# Altium PCB LimeSDR-X3_1v0.PcbDoc (part 8 of 25)
Units mm, origin at the board's own origin, x right, y up, seen from the top; angles counter-clockwise.
Board outline 232.5 x 111.15 mm, 12 copper layers (Top, L2, L3, L4, L5, L6, L7, L8, L9, L10, L11, Bottom), stack 1.596 mm thick; 2057 components, 1391 nets, 8880 pads, 3657 vias.
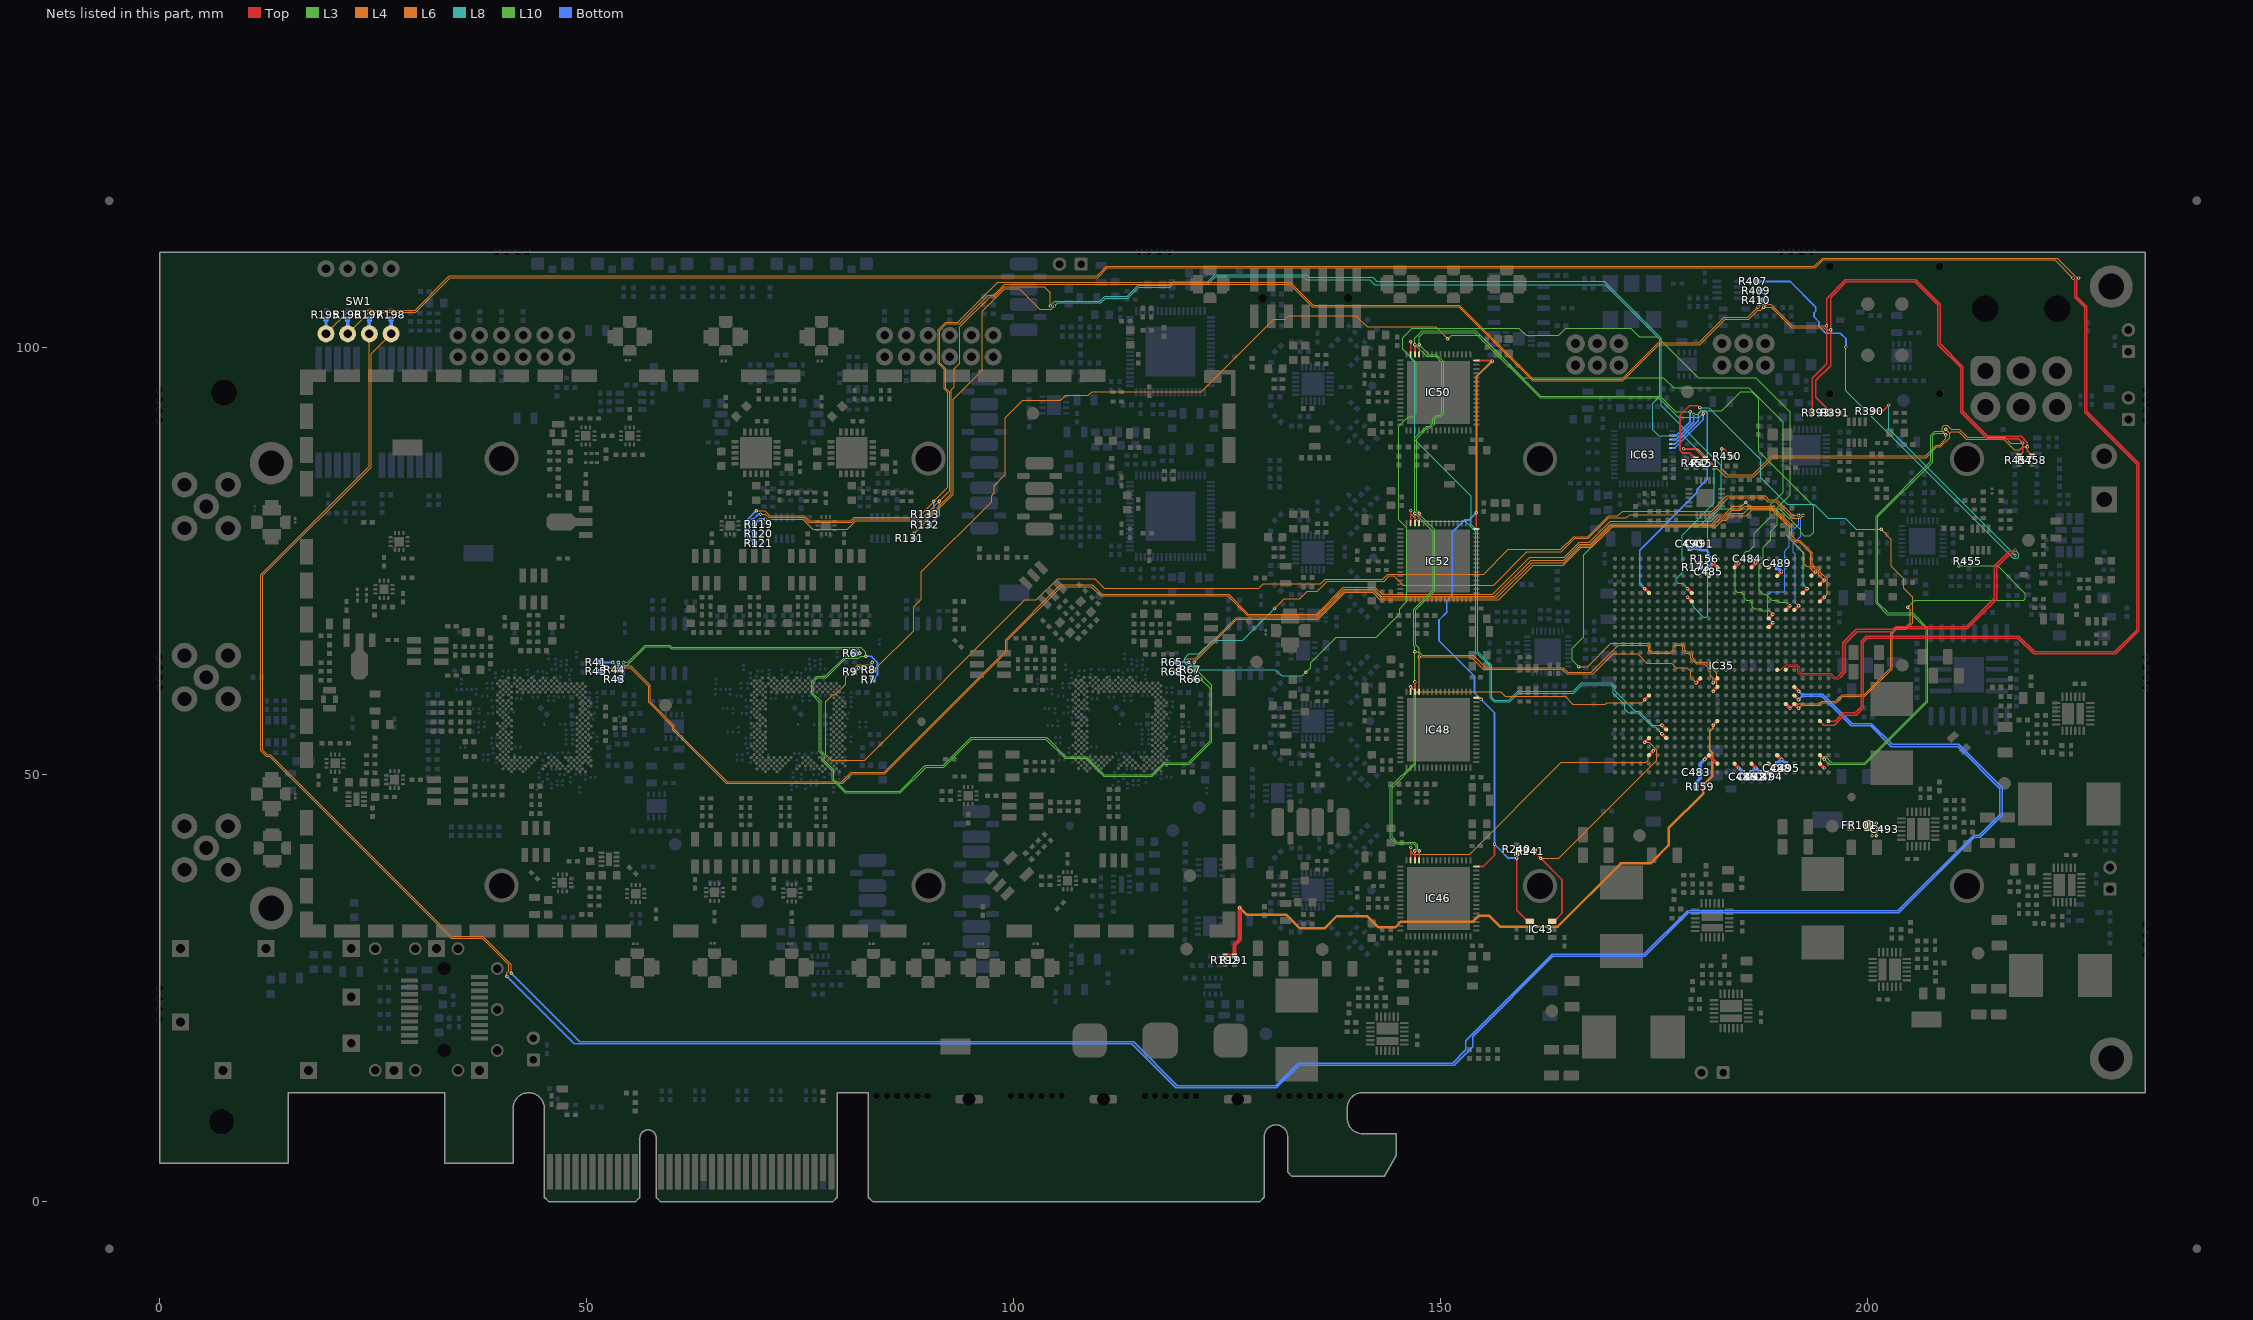
[diagram p18: the nets of this part, all layers, seen from the top]

## Via types
v1: diameter 0.4, hole 0.2, Top to Bottom, tented both sides, 3068 vias
v2: diameter 0.35, hole 0.2, Top to Bottom, tented both sides, 272 vias
v3: diameter 0.5, hole 0.2, Top to Bottom, tented bottom, 196 vias
v4: diameter 0.5, hole 0.2, Top to Bottom, tented both sides, 102 vias
v5: diameter 0.8, hole 0.4, Top to Bottom, tented both sides, 13 vias
v6: diameter 0.4, hole 0.2, Top to Bottom, tented top, 6 vias

## Nets (pads, with @x,y where several pads share a name; then routed paths per layer and width w, separated by ;. In a path a pad name is that pad's centre, name@x,y a point inside that pad or via, vN(x,y) a via of type N, cw(c..) or ccw(c..) an arc to the next point about the centre after c; other vN are vias at no path point) (continued)
FPGA_MGTAVTT: C483.2 C484.1 C485.1 C486.1 C487.1 C488.1 C489.1 C490.1 C491.1 C492.1 C493.1 C494.1 C495.1 FR101.1 IC35.AD7 IC35.AD15 IC35.AE8 IC35.AE10 IC35.AE12 IC35.AE14 IC35.B8 IC35.B10 IC35.B12 IC35.B14 IC35.C7 IC35.C15 R156.2 R159.2 | length 25.3
  Top w0.4: v1(180.875,51.775) IC35.C15@181.375,52.275 IC35.B14@182.375,51.275 ; v1(180.875,73.775) IC35.AD15@181.375,73.275 ; v1(181.875,74.775) IC35.AE14@182.375,74.275 ; IC35.B12@184.375,51.275 v1(184.875,50.775) ; IC35.AE12@184.375,74.275 v1(184.875,74.775) ; IC35.B10@186.375,51.275 v1(186.875,50.775) ; IC35.AE10@186.375,74.275 v1(186.875,74.775) ; IC35.B8@188.375,51.275 v1(188.875,50.775) ; IC35.AE8@188.375,74.275 v1(188.875,74.775) ; IC35.C7@189.375,52.275 v1(189.875,51.775) ; IC35.AD7@189.375,73.275 v1(189.875,73.775)
  Bottom w0.3: C491.1@180.225,76.525 180.225,76.475 180.325,76.375 180.375,76.375 180.5,76.25 181.1,76.25 181.325,76.025 181.325,75.325 R156.2@181.375,75.275
  Bottom w0.4: C490.1@179.127,76.508 179.145,76.525 C491.1@180.225,76.525 ; R159.2@179.875,48.55 179.875,49.05 180.375,49.55 C483.2@180.375,50.275 180.375,51.275 v1(180.875,51.775) ; v1(180.875,73.775) C485.1@181.375,74.275 v1(181.875,74.775) R156.2@181.375,75.275 ; v1(184.875,50.775) C486.1@185.375,50.275 ; C492.1@186.375,50.275 v1(186.875,50.775) 187.35,50.3 C487.1@187.35,50.25 ; C484.1@186.388,75.262 v1(186.875,74.775) ; C494.1@188.375,50.275 v1(188.875,50.775) v1(189.875,51.775) 189.875,51.725 190.275,51.325 190.325,51.325 C495.1@190.375,51.275 ; v1(188.875,74.775) v1(189.875,73.775)
  other v1: 200.475,42.825 200.975,42.825 200.475,43.325 200.975,43.325 200.475,43.825 200.975,43.825 200.475,44.325 200.975,44.325
FPGA_PROGRAM_B: IC35.AE16 R173.2 | length 1.4
  Top w0.4: v1(179.875,74.775) IC35.AE16@180.375,74.275
  Bottom w0.4: v1(179.875,74.775) 179.878,74.775 R173.2@180.375,74.278
FPGA_SPI0_LMS1_MISO: IC35.V8 R8.2 | length 159.7
  Top w0.4: IC35.V8@188.375,67.275 v1(188.875,67.775)
  L6 w0.1: v1(83.403,63.137) 83.136,62.871 81.685,62.871 80.3,61.486 80.3,60.601 79.027,59.328 78.773,59.328 77.95,58.504 77.95,52.346 78.619,51.677 82.506,51.677 82.736,51.907 101.279,70.45 102.608,70.45 105.108,72.95 109.458,72.95 110.558,71.85 128.675,71.85 129.175,72.35 135.9,72.35 136.425,72.875 143.175,72.875 143.775,73.475 155,73.475 157.9,76.375 164.05,76.375 165.525,77.85 167.183,77.85 169.633,80.3 170.725,80.3 171.275,80.85 181.7,80.85 183.475,82.625 187.975,82.625 188.4,82.2 189.35,82.2 191.2,80.35 v1(191.875,80.35)
  Bottom w0.13: v1(188.875,67.775) 188.25,68.4 188.25,71 188.65,71.4 190.125,71.4 190.25,71.525 190.25,76.175 190.8,76.725 190.8,78.265 191.875,79.34 v1(191.875,80.35)
  Bottom w0.2: v1(83.403,63.137) 83.403,62.401 R8.2@83.522,62.282
FPGA_SPI0_LMS1_SS: IC35.W8 R9.2 | length 169.5
  Top w0.4: IC35.W8@188.375,68.275 v1(188.875,68.775)
  L3 w0.1: v1(150.8,101.028) 151.247,101.475 154.592,101.475 159.592,96.475 176.05,96.475 177.25,95.275 186.042,95.275 190.075,91.242 190.075,83.083 188.575,81.583 188.575,80.133 186.7,78.258 186.7,76.775 186.05,76.125 185.73,76.125 185.525,75.92 185.525,75.647 185.003,75.125 184.73,75.125 184.475,74.87 184.475,71.575 184.675,71.375 185.158,71.375 185.525,71.008 185.525,70.63 185.73,70.425 186.154,70.425 186.475,70.104 186.475,69.68 186.73,69.425 187.447,69.425 187.672,69.2 188.45,69.2 v1(188.875,68.775)
  L6 w0.1: v1(81.803,62.494) 83.883,62.494 88.25,66.861 88.25,69.65 89.15,70.55 89.15,73.75 97.375,81.975 97.375,82.65 97.7,82.975 97.7,83.85 99,85.15 99,91.8 101.025,93.825 105.5,93.825 106.075,94.4 108.725,94.4 109.175,94.85 121.925,94.85 130.425,103.35 131.775,103.35 132.175,103.75 140.025,103.75 141.35,102.425 149.403,102.425 v1(150.8,101.028)
  Bottom w0.3: R9.2@81.321,62.088 R9.2@81.398,62.088 ; R9.2@81.398,62.088 v1(81.803,62.494) R9.2@81.398,62.088
FPGA_SPI0_LMS2_MISO: IC35.AB4 R44.2 | length 173.1
  Top w0.4: IC35.AB4@192.375,71.275 v1(192.875,71.775)
  L8 w0.1: v1(185.675,81.875) 186.175,81.375 188.6,81.375 190.425,79.55 190.425,78 192.425,76 192.425,72.225 v1(192.875,71.775)
  L6 w0.1: v1(53.653,63.137) 54.04,62.75 55.117,62.75 57.425,60.442 57.425,58.533 60.25,55.708 60.25,55.333 66.408,49.175 79.858,49.175 80.958,50.275 84.783,50.275 99.025,64.517 99.025,65.808 105.442,72.225 109.158,72.225 110.258,71.125 125.137,71.125 127.462,68.8 135.433,68.8 138.583,71.95 142.275,71.95 143.125,71.1 156.05,71.1 160.4,75.45 164.426,75.45 166.176,77.2 167.374,77.2 167.424,77.25 167.431,77.25 169.841,79.659 181.609,79.659 182.35,80.4 183.194,80.4 184.194,81.4 185.2,81.4 v1(185.675,81.875)
  Bottom w0.2: v1(53.653,63.137) 53.653,62.401 R44.2@53.772,62.282
FPGA_SPI0_LMS2_SS: IC35.AA2 R45.2 | length 177.3
  Top w0.4: IC35.AA2@194.375,70.275 v1(194.875,70.775)
  L6 w0.1: v1(52.053,62.494) 55.091,62.494 57.225,60.359 57.225,58.45 60.05,55.625 60.05,55.25 66.325,48.975 79.941,48.975 81.041,50.075 84.866,50.075 99.225,64.434 99.225,65.725 105.525,72.025 109.075,72.025 110.175,70.925 125.054,70.925 127.379,68.6 135.516,68.6 138.641,71.725 142.191,71.725 143.016,70.9 156.325,70.9 160.55,75.125 164.384,75.125 166.259,77 167.475,77 169.875,79.4 181.75,79.4 182.525,80.175 183.251,80.175 184.026,80.95 185.101,80.95 185.551,81.4 188.875,81.4 191.05,79.225 191.05,77.943 191.543,77.45 192.025,77.45 193.475,76 193.475,74.68 193.794,74.361 194.114,74.361 194.425,74.05 194.425,73.72 195.225,72.92 195.225,71.125 v1(194.875,70.775)
  Bottom w0.3: R45.2@51.571,62.088 R45.2@51.596,62.088 R45.2@51.648,62.088 ; R45.2@51.648,62.088 v1(52.053,62.494) R45.2@51.648,62.088
FPGA_SPI0_LMS3_MISO: IC35.AD3 R67.2 | length 87
  Top w0.4: IC35.AD3@193.375,73.275 v1(193.875,73.775)
  L6 w0.1: v1(121.093,63.154) 126.114,68.175 135.656,68.175 138.806,71.325 142.025,71.325 142.85,70.5 156.756,70.5 160.781,74.525 164.35,74.525 166.425,76.6 167.65,76.6 170.05,79 182.175,79 182.95,79.775 183.417,79.775 183.942,80.3 185.725,80.3 186.425,81 188.709,81 190.65,79.059 190.65,77.778 192.525,75.903 192.525,74.63 192.78,74.375 193.053,74.375 193.425,74.003 193.425,74 193.65,73.775 v1(193.875,73.775)
  Bottom w0.2: v1(121.093,63.154) 121.093,62.418 R67.2@121.212,62.299
FPGA_SPI0_LMS3_SS: IC35.AC2 R68.2 | length 90.7
  Top w0.4: IC35.AC2@194.375,72.275 v1(194.875,72.775)
  L6 w0.1: v1(119.493,62.51) 119.493,62.957 120.111,63.575 121.231,63.575 126.031,68.375 135.574,68.375 138.724,71.525 142.108,71.525 142.933,70.7 156.55,70.7 160.675,74.825 164.367,74.825 166.342,76.8 167.558,76.8 169.958,79.2 181.95,79.2 182.725,79.975 183.334,79.975 183.959,80.6 185.475,80.6 186.075,81.2 188.2,81.2 188.792,81.2 190.85,79.142 190.85,77.861 191.461,77.25 191.942,77.25 193.275,75.917 193.275,74.597 193.747,74.125 194.02,74.125 194.225,73.92 194.225,73.425 v1(194.875,72.775)
  Bottom w0.3: R68.2@119.088,62.105 v1(119.493,62.51)
FPGA_SPI0_MOSI: IC35.Y5 R7.2 R43.2 R66.2 | length 212.3
  Top w0.4: IC35.Y5@191.375,69.275 v1(191.875,69.775)
  L3 w0.1: v1(54.278,63.137) 54.789,63.137 56.827,65.175 59.7,65.175 59.95,64.925 82.075,64.925 82.65,64.35 v1(82.65,63.846) 82.074,63.846 81.849,63.621 80.3,63.621 78,61.321 77.05,61.321 76.5,60.771 76.5,59.496 77.425,58.571 77.425,52.746 77.775,52.396 77.775,51.696 78.925,50.546 78.925,49.461 80.315,48.071 86.621,48.071 89.625,51.075 91.725,51.075 95,54.35 103.825,54.35 106.075,52.1 108.483,52.1 110.583,50 116.117,50 117.517,51.4 120.425,51.4 122.975,53.95 122.975,60.085 v1(121.875,61.185)
  L8 w0.1: v1(121.875,61.185) 119.975,63.085 119.975,63.65 120.45,64.125 121.65,64.125 123.275,65.75 126.8,65.75 v1(130.55,69.5)
  L6 w0.1: v1(130.55,69.5) 131.625,70.575 133.45,70.575 134.35,71.475 135.5,71.475 136.675,72.65 143.35,72.65 143.975,73.275 144.467,73.275 145.567,72.175 156.175,72.175 160.075,76.075 164.075,76.075 165.65,77.65 167.266,77.65 169.675,80.059 171.723,80.059 172.114,80.45 181.675,80.45 183.65,82.425 187.8,82.425 188.275,81.95 189.2,81.95 191.15,80 192.05,80 v1(192.4,80.35)
  Bottom w0.13: v1(191.875,69.775) 191.51,70.14 191.51,75.79 191.275,76.025 191.275,77.07 192.113,77.907 192.113,80.062 v1(192.4,80.35)
  Bottom w0.2: R43.2@53.781,61.169 54.278,61.665 v1(54.278,63.137) ; v1(82.65,63.846) 83.3,63.846 84.028,63.118 84.028,61.665 R7.2@83.531,61.169 ; R66.2@121.221,61.185 v1(121.875,61.185)
FPGA_SPI0_SCLK: IC35.Y6 R6.2 R41.2 R65.2 | length 256.7
  Top w0.4: IC35.Y6@190.375,69.275 v1(190.875,69.775)
  L3 w0.1: v1(53.028,63.137) 53.384,62.782 54.716,62.782 56.909,64.975 59.617,64.975 59.867,64.725 81.75,64.725 81.947,64.528 v1(81.947,64.213) 81.554,63.821 80.217,63.821 77.917,61.521 76.967,61.521 76.3,60.853 76.3,59.413 77.225,58.488 77.225,52.663 77.575,52.313 77.575,51.613 78.725,50.463 78.725,49.378 80.232,47.871 86.703,47.871 89.708,50.875 91.808,50.875 95.083,54.15 103.742,54.15 105.992,51.9 108.4,51.9 110.5,49.8 116.2,49.8 117.6,51.2 120.508,51.2 123.175,53.867 123.175,60.447 v1(120.468,63.154) ; v1(134.175,61.975) 134.725,62.525 134.725,63.092 137.733,66.1 142.425,66.1 145.15,68.825 145.15,69.442 145.999,70.291 145.999,78.884 145.05,79.833 145.05,90.775 146.175,91.9 146.708,91.9 147.1,92.292 147.1,98.225 145.5,99.825 145.5,101.126 146.649,102.275 159.117,102.275 159.967,101.425 163.775,101.425 164.625,102.275 172.242,102.275 173.217,101.3 175.325,101.3 180.15,96.475 186.842,96.475 190.9,92.417 190.9,82.776 189.4,81.276 189.4,79.258 188.625,78.483 188.625,77.524 187.725,76.624 187.725,74.991 187.3,74.566 187.3,71.562 187.737,71.125 188.02,71.125 188.745,70.4 189.4,70.4 189.6,70.2 190.45,70.2 v1(190.875,69.775)
  L8 w0.1: v1(120.468,63.154) 120.468,63.107 121.275,62.3 130.625,62.3 131.375,61.55 133.75,61.55 v1(134.175,61.975)
  Bottom w0.2: R41.2@51.571,63.188 R41.2@51.596,63.163 51.622,63.137 v1(53.028,63.137) ; R65.2@119.062,63.154 v1(120.468,63.154)
  Bottom w0.4: R6.2@81.346,64.213 v1(81.947,64.213)
FPGA_SPI1_CDCM_SS: IC35.AB22 IC63.4 | length 31.1
  Top w0.4: v1(173.875,71.775) IC35.AB22@174.375,71.275
  Bottom w0.15: v1(173.875,71.775) 173.25,72.4 173.25,76.262 179.975,82.987 179.975,83.375 181.175,84.575 181.175,92.324 180.874,92.625 180.468,92.625 180.125,92.282 180.125,91.426 177.424,88.725 IC63.4@177.1,88.725
FPGA_SPI1_LMS2_BB_ADC1_SS: IC35.C22 IC46.15 | length 36.5
  Top w0.2: IC46.15@146.45,39.95 v1(146.45,41.46)
  Top w0.4: IC35.C22@174.375,52.275 v1(174.875,52.775)
  L4 w0.1: v1(146.45,41.46) 146.45,41.025 146.775,40.7 153.358,40.7 164.083,51.425 173.73,51.425 174.02,51.425 174.25,51.655 174.25,52.15 v1(174.875,52.775)
FPGA_SPI1_LMS2_BB_ADC2_SS: IC35.K22 IC48.15 | length 29.8
  Top w0.2: IC48.15@146.45,59.7 v1(146.45,60.266)
  Top w0.4: v1(173.875,58.775) IC35.K22@174.375,59.275
  L4 w0.1: v1(146.45,60.266) 147.03,59.685 157.008,59.685 157.544,59.15 164.55,59.15 165.45,58.25 169.246,58.25 169.421,58.425 173.525,58.425 v1(173.875,58.775)
FPGA_SPI1_LMS3_BB_ADC1_SS: IC35.F20 IC50.15 | length 71
  Top w0.2: IC50.15@146.45,99.2 v1(146.45,100.675)
  Top w0.4: v1(175.875,55.775) IC35.F20@176.375,55.275
  L8 w0.1: v1(146.45,100.675) 146.45,98.725 146.95,98.225 146.95,89.2 153.55,82.6 153.55,79.252 154.3,78.502 154.3,64.399 155.95,62.749 155.95,59.075 156.3,58.725 157.951,58.725 158.976,59.75 165.475,59.75 166.475,60.75 169.95,60.75 170.4,60.3 170.4,59.755 172.73,57.425 173.15,57.425 174.8,55.775 v1(175.875,55.775)
FPGA_SPI1_LMS3_BB_ADC2_SS: IC35.E20 IC52.15 | length 55.5
  Top w0.2: IC52.15@146.45,79.45 v1(146.45,80.925)
  Top w0.4: v1(175.875,54.775) IC35.E20@176.375,54.275
  L8 w0.1: v1(146.45,80.925) 146.45,80.559 147.334,79.675 152.844,79.675 154.093,78.425 154.093,76.735 154.1,76.728 154.1,64.316 155.75,62.666 155.75,58.992 156.217,58.525 158.034,58.525 159.059,59.55 165.558,59.55 166.558,60.55 169.867,60.55 170.2,60.217 170.2,59.525 171.525,58.2 171.525,57.92 171.525,57.63 171.93,57.225 173.067,57.225 174.717,55.575 175.075,55.575 v1(175.875,54.775)
FPGA_SPI1_MISO: IC35.L14 IC63.3 | length 99.7
  Top w0.4: v1(181.875,59.775) IC35.L14@182.375,60.275
  L4 w0.1: v1(166.125,62.65) 167.175,62.65 169.891,65.366 174.189,65.366 174.525,65.03 174.525,64.575 174.7,64.4 176.995,64.4 177.225,64.63 177.225,65 177.575,65.35 178.175,65.35 178.525,65 178.525,64.63 178.755,64.4 179.08,64.4 179.466,64.014 179.466,63.689 179.98,63.175 180.984,63.175 182.3,61.859 182.3,60.2 v1(181.875,59.775)
  L10 w0.1: v1(166.125,62.65) 165.4,63.375 165.4,64.775 166.75,66.125 166.75,75.75 170.15,79.15 180.325,79.15 182.328,81.153 189.642,81.153 192.11,78.685 192.11,78.365 192.5,77.975 193.225,77.975 193.625,78.375 193.625,81.45 187.225,87.85 187.225,94 186.375,94.85 185.125,94.85 182.875,92.6 180.55,92.6 180.125,92.175 v1(179.575,92.175)
  Bottom w0.2: IC63.3@177.1,89.225 177.501,89.225 179.6,91.324 v1@179.6,92.175
FPGA_SPI1_MISO_BB_ADC: IC35.E22 IC43.3 R241.2 | length 32.1
  Top w0.2: R241.2@160.912,40.963 v1(161.675,40.2) 164.175,37.7 164.175,33.75 163.247,32.822 IC43.3@163.022,32.822
  Top w0.4: v1(173.875,53.775) IC35.E22@174.375,54.275
  L4 w0.1: v1(161.675,40.2) 163.795,40.2 175.275,51.68 175.275,52.87 174.37,53.775 v1(173.875,53.775)
FPGA_SPI1_MISO_BB_ADC_LS: IC43.4 IC46.64 IC48.64 IC50.64 IC52.64 R240.2 R241.1 | length 83.7
  Top w0.2: IC46.64@154.15,39.25 154.975,39.25 156.275,40.55 v1(156.275,41.85) ; IC52.64@154.15,78.75 v1(154.15,80.65) ; IC50.64@154.15,98.5 155.925,98.5 v1(156,98.425) ; R241.1@159.975,41.025 159.175,41.025 158.875,40.725 v1(158.875,40.225) 158.875,34.125 160.178,32.822 IC43.4@160.422,32.822
  Top w0.25: IC48.64@154.15,59 154.5,59 v1(154.7,58.8)
  L6 w0.25: v1(154.15,80.65) 154.15,96.575 v1(156,98.425)
  Bottom w0.2: v1(154.15,80.65) 153.325,79.825 152.789,79.825 151.325,78.361 151.325,71.025 150.675,70.375 150.675,69.012 149.775,68.112 149.775,65.675 153.925,61.525 153.925,59.575 v1(154.7,58.8) 156.275,57.225 v1(156.275,41.85) 157.9,40.225 v1(158.875,40.225)
FPGA_SPI1_MOSI: IC35.M14 IC46.14 IC48.14 IC50.14 IC52.14 IC63.2 | length 156.3
  Top w0.2: IC46.14@146.95,39.95 v1(146.95,41.1) ; IC48.14@146.95,59.7 v1(146.95,60.85) ; IC52.14@146.95,79.45 v1(146.95,80.6) ; IC50.14@146.95,99.2 v1(146.95,100.35)
  Top w0.4: v1(181.875,60.775) IC35.M14@182.375,61.275
  L3 w0.1: v1(146.95,41.1) 146.95,41.129 147.1,41.279 147.1,41.625 146.825,41.9 144.792,41.9 144.075,42.617 144.075,48.558 146.85,51.333 146.85,59.575 146.95,59.675 v1(146.95,60.85) 146.95,65 146.838,65.112 146.838,69.371 149.1,71.633 149.1,78.45 v1(146.95,80.6) 146.95,89.425 148.325,90.8 148.667,90.8 149.05,91.183 149.05,91.683 149.442,92.075 149.85,92.075 150.1,92.325 150.1,98.242 149.367,98.975 148.325,98.975 v1(146.95,100.35)
  L4 w0.1: v1(146.95,64.4) 147.425,64.4 147.825,64 153.775,64 155.25,62.525 164.35,62.525 164.875,62 167.605,62 170.755,65.15 174.1,65.15 174.325,64.925 174.325,64.492 174.633,64.184 177.062,64.184 177.425,64.547 177.425,64.917 177.633,65.125 178.117,65.125 178.325,64.917 178.325,64.547 178.672,64.2 178.975,64.2 179.25,63.925 179.25,63.6 179.875,62.975 180.85,62.975 181.525,62.3 181.525,61.62 181.875,61.27 v1(181.875,60.775)
  L10 w0.1: v1(146.95,100.35) 146.95,101.075 147.825,101.95 154.05,101.95 161.7,94.3 175.675,94.3 177.5,92.475 v1(179.175,92.475)
  Bottom w0.2: IC63.2@177.1,89.725 177.577,89.725 179.175,91.323 v1(179.175,92.475)
FPGA_SPI1_SCLK: IC35.M16 IC46.13 IC48.13 IC50.13 IC52.13 IC63.5 | length 157
  Top w0.2: IC46.13@147.45,39.95 v1(147.45,41.1) ; IC48.13@147.45,59.7 147.45,60.85 v1(147.45,63.775) ; IC52.13@147.45,79.45 v1(147.45,80.6) ; IC50.13@147.45,99.2 v1(147.45,100.35)
  Top w0.4: v1(179.875,60.775) IC35.M16@180.375,61.275
  L3 w0.1: v1(147.45,41.1) 147.45,41.129 147.3,41.279 147.3,41.708 146.908,42.1 144.875,42.1 144.275,42.7 144.275,48.475 147.05,51.25 147.05,59.45 147.45,59.85 v1(147.45,63.775) 147.45,64.8 147.05,65.2 147.05,69.3 149.3,71.55 149.3,78.659 147.45,80.509 v1(147.45,80.6) 147.15,80.9 147.15,89.342 148.408,90.6 148.75,90.6 149.25,91.1 149.25,91.6 149.525,91.875 149.933,91.875 150.3,92.242 150.3,98.325 149.45,99.175 148.625,99.175 v1(147.45,100.35)
  L4 w0.1: v1(147.45,63.775) 153.5,63.775 154.95,62.325 164.203,62.325 164.728,61.8 167.825,61.8 170.15,64.125 173.02,64.125 174.12,63.025 176.575,63.025 177,63.025 177.5,62.525 178.781,62.525 179.225,62.082 179.225,61.425 v1(179.875,60.775)
  L10 w0.1: v1(147.45,100.35) 147.45,101.275 147.925,101.75 153.967,101.75 161.617,94.1 175.525,94.1 177.8,91.825 180.275,91.825 v1(180.7,92.25)
  Bottom w0.2: IC63.5@177.1,88.225 177.35,88.225 180.7,91.575 v1(180.7,92.25)
FPGA_SPI2_ADF_SS: IC35.J5 R452.1 | length 70.7
  Top w0.2: R452.1@179.85,86.95 179.15,87.65 178.317,87.65 178,87.967 178,92.075 179.1,93.175 180.1,93.175 v1(180.3,92.975)
  Top w0.4: IC35.J5@191.375,58.275 v1(191.875,57.775)
  L4 w0.1: v1(191.875,57.775) 192.225,58.125 194.425,58.125 194.7,58.4 196.275,58.4 197.05,59.175 199.625,59.175 202.85,62.4 202.85,66.475 203.425,67.05 204.508,67.05 205.225,67.767 205.225,70.775 204.2,71.8 204.2,72.925 202.75,74.375 202.75,77.525 v1(201.55,78.725)
  L8 w0.1: v1(180.3,92.975) 181.35,92.975 187.475,86.85 187.475,84.75 190.575,81.65 193.7,81.65 195.325,80.025 197.325,80.025 198.625,78.725 v1(201.55,78.725)
FPGA_SPI2_LMS1_TX1DAC_SS: IC35.AA17 R119.2 | length 176.4
  Top w0.4: v1(178.875,70.775) IC35.AA17@179.375,70.275
  L8 w0.1: v1(104.25,104.875) 104.8,105.425 110.075,105.425 110.65,106 113.25,106 114.532,107.282 118.166,107.282 118.584,107.7 122.672,107.7 123.497,108.525 134.217,108.525 134.492,108.25 141.992,108.25 142.487,107.755 142.52,107.755 169.137,107.755 175.825,101.067 175.825,93.175 182.825,86.175 182.825,81.3 181.225,79.7 181.225,68.63 181.02,68.425 180.73,68.425 179.525,69.63 179.525,70.125 v1(178.875,70.775)
  L6 w0.1: v1(70.9,79.925) 75.266,79.925 76.466,78.725 80.45,78.725 81.475,79.75 89.525,79.75 92.675,82.9 92.675,95.049 93.025,95.399 93.025,97.525 93.675,98.175 93.675,102.425 97.2,105.95 97.708,105.95 98.858,107.1 103.558,107.1 104.25,106.408 v1(104.25,104.875)
  Bottom w0.25: R119.2@69.6,79.3 70.225,79.925 v1(70.9,79.925)
FPGA_SPI2_LMS1_TX2DAC_SS: IC35.AB17 R131.2 | length 153.6
  Top w0.4: v1(178.875,71.775) IC35.AB17@179.375,71.275
  L8 w0.1: v1(104.75,104.875) 105.1,105.225 110.167,105.225 110.742,105.8 113.333,105.8 114.608,107.075 118.242,107.075 118.667,107.5 122.754,107.5 123.579,108.325 123.825,108.325 133.908,108.325 134.303,107.93 141.661,107.93 142.236,107.355 169.254,107.355 175.605,101.004 175.605,94.305 174.8,93.5 174.8,90.366 175.516,89.65 178.35,89.65 182.025,85.975 182.025,81.809 178.25,78.034 178.25,73.655 177.525,72.93 177.525,72.63 177.755,72.4 178.25,72.4 v1(178.875,71.775)
  L6 w0.1: v1@88.304,78.246 92.875,82.817 92.875,93.975 96.275,97.375 96.275,104.234 98.941,106.9 100.6,106.9 103.025,104.475 104.35,104.475 v1(104.75,104.875)
  Bottom w0.25: R131.2@88.3,77.65 v1(88.3,78.25)
FPGA_SPI2_MOSI: IC35.B2 R121.2 R133.2 R393.2 R410.2 R451.1 R458.2 | length 327.1
  Top w0.15: R393.2@193.45,92.375 193.45,96.4 195.15,98.1 v1(195.15,102.575) 195.15,105.729 197.371,107.95 205.604,107.95 208.45,105.104 208.45,100.429 211.1,97.779 211.1,92.529 214.029,89.6 217.95,89.6 218.675,88.875 v1(218.675,88.39) 218.675,87.905 219.225,87.355 R458.2@219.225,87.31
  Top w0.2: v1(178.4,88.15) 179.75,88.15 R451.1@180.95,86.95
  Top w0.4: IC35.B2@194.375,51.275 v1(194.875,50.775)
  L3 w0.1: v1(194.875,50.775) 194.45,51.2 194.45,51.9 194.675,52.125 195.025,52.125 195.75,51.4 199.625,51.4 206.825,58.6 206.825,67.075 205.175,68.725 202.267,68.725 200.95,70.042 200.95,80.258 207.375,86.683 207.375,89.758 207.817,90.2 208.9,90.2 v1(209.125,90.425)
  L6 w0.1: v1(69.825,80.9) 70.8,80.9 71.375,80.325 75.431,80.325 76.006,79.75 80.909,79.75 81.309,80.15 88.792,80.15 92.275,83.633 92.275,94.717 91.825,95.167 91.825,97.45 91.125,98.15 91.125,102.083 92.017,102.975 93.425,102.975 98.075,107.625 132.375,107.625 135.025,104.975 152.161,104.975 160.836,96.3 171.192,96.3 175.442,100.55 180.2,100.55 183.2,103.55 185.925,103.55 v1(187.125,104.75) 187.475,105.1 188.6,105.1 191.125,102.575 v1(195.15,102.575) ; v1(178.4,88.15) 180.05,88.15 183.3,84.9 186.608,84.9 188.833,87.125 206.833,87.125 208.083,88.375 208.478,88.375 209.575,89.472 209.575,89.975 ; v1(209.125,90.425) 209.575,89.975 ; v1(218.675,88.39) 218.14,88.39 217.8,88.05 217.125,88.05 215.9,89.275 211.525,89.275 210.65,90.15 209.75,90.15 209.575,89.975
  Bottom w0.2: R121.2@69.6,77.1 68.575,78.125 68.575,79.65 v1(69.825,80.9) ; R133.2@90.125,80.497 90.625,80.997 v1(90.625,82) ; v1(187.125,104.75) 187.425,105.05 R410.2@187.425,105.55
FPGA_SPI2_SCLK: IC35.C2 R120.2 R132.2 R391.2 R409.2 R450.1 R457.2 | length 321.6
  Top w0.15: R391.2@195.7,92.375 193.9,94.175 193.9,96.178 195.625,97.903 v1(195.625,102.1) 195.625,105.85 197.475,107.7 205.5,107.7 208.2,105 208.2,100.325 210.85,97.675 210.85,92.425 213.975,89.3 217.65,89.3 v1(218.125,88.825) 218.125,87.725 R457.2@217.7,87.3
  Top w0.2: v1(182.875,88.16) 183.14,88.16 R450.1@184.05,87.25
  Top w0.4: IC35.C2@194.375,52.275 v1(194.875,51.775)
  L3 w0.1: v1(194.875,51.775) 195.45,51.2 199.708,51.2 207.025,58.517 207.025,67.158 205.258,68.925 202.35,68.925 201.15,70.125 201.15,80.175 207.575,86.6 207.575,89.675 207.9,90 208.9,90 v1(209.125,89.775)
  L6 w0.1: v1(70.325,80.5) 70.9,80.5 71.275,80.125 75.349,80.125 75.924,79.55 80.992,79.55 81.392,79.95 89.2,79.95 v1(91.25,82) 92.475,83.225 92.475,94.8 92.025,95.25 92.025,97.533 91.325,98.233 91.325,102 92.1,102.775 93.625,102.775 97,106.15 97.625,106.15 98.9,107.425 132.292,107.425 134.942,104.775 152.078,104.775 160.753,96.1 171.275,96.1 175.525,100.35 180.283,100.35 183.283,103.35 186.025,103.35 187.075,104.4 187.45,104.4 v1(187.8,104.75) 188.667,104.75 191.067,102.35 194.85,102.35 195.1,102.1 v1(195.625,102.1) ; v1(182.875,88.16) 182.875,85.825 183.6,85.1 186.525,85.1 188.75,87.325 206.75,87.325 208,88.575 208.395,88.575 209.125,89.305 v1(209.125,89.775) 208.7,90.2 208.7,90.675 208.95,90.925 209.275,90.925 209.775,90.425 210.675,90.425 211.625,89.475 216.05,89.475 216.7,88.825 v1(218.125,88.825)
  Bottom w0.2: R120.2@69.6,78.2 68.975,78.825 68.975,79.625 69.275,79.925 69.5,79.925 70.075,80.5 v1(70.325,80.5) ; R132.2@90.125,79.25 91.25,80.375 v1(91.25,82) ; R409.2@187.425,106.65 188.075,106 188.075,105.025 v1(187.8,104.75)
FPGA_SPI2_XO_20_DAC_SS: IC35.N7 R407.2 | length 89.3
  Top w0.1: IC35.N7@189.375,62.275 189.809,62.275 190.409,62.875 191.708,62.875 191.975,62.608 191.975,62.075 192.175,61.875 195.633,61.875 195.85,61.658 195.85,61.655 196.055,61.45 196.058,61.45 196.108,61.4 196.4,61.4 196.6,61.6
  Top w0.15: 196.6,61.6 197.075,62.075 197.075,65.45 198.658,67.033 202.933,67.033 203.233,67.333 211.483,67.333 214.8,70.65 214.8,74.375 216.558,76.133 217.058,76.133 v1(217.225,76.3)
  L8 w0.1: v1(197.425,100.075) 197.425,94.95 217.025,75.35 217.475,75.35 217.65,75.525 217.65,75.875 v1(217.225,76.3)
  Bottom w0.2: R407.2@187.054,107.75 190.875,107.75 193.9,104.725 193.9,104.275 193.675,104.05 193.675,103.6 194.275,103 194.275,102.45 195.05,101.675 196.775,101.675 197.425,101.025 v1(197.425,100.075)
FPGA_SPI2_XO_25_DAC_SS: IC35.N6 R390.2 | length 64
  Top w0.1: IC35.N6@190.375,62.275 190.775,62.675 191.625,62.675 191.775,62.525 191.775,61.992 192.092,61.675 195.55,61.675 195.65,61.575 195.65,61.572 195.972,61.25 195.975,61.25 196.025,61.2 196.6,61.2 196.8,61.4
  Top w0.15: 196.8,61.4 197.358,61.958 197.358,65.333 198.775,66.75 203.05,66.75 203.35,67.05 211.6,67.05 215.083,70.533 215.083,74.258 216.675,75.85 217.075,75.85 v1(217.225,75.7)
  Top w0.2: R390.2@200.7,92.568 201.718,92.568 v1(202.425,93.275)
  L8 w0.1: v1(202.425,93.275) 202.425,90.5 v1(217.225,75.7)
FPGA_SPI2_XO_DAC_SS: IC35.J6 R455.2 | length 48
  Top w0.2: v1(210.65,74.427) R455.2@211.199,74.976
  Top w0.4: IC35.J6@190.375,58.275 v1(190.875,57.775)
  L3 w0.1: v1(204.675,69.6) 204.732,69.543 204.732,69.657 205.475,70.4 218.225,70.4 218.425,70.6 218.425,71.2 215.198,74.427 v1(210.65,74.427)
  L4 w0.1: v1(190.875,57.775) 191.425,58.325 194.342,58.325 194.617,58.6 196.192,58.6 196.967,59.375 199.542,59.375 202.65,62.483 202.65,66.558 203.342,67.25 204.425,67.25 204.95,67.775 204.95,69.325 v1(204.675,69.6)
FPGA_SW0: IC35.K5 R198.2 SW1.2 | length 322.7
  Top w0.4: IC35.K5@191.375,59.275 v1(191.875,58.775)
  L6 w0.1: SW1.2@27.06,101.615 24.725,99.28 24.725,86.017 12.025,73.317 12.025,52.85 12.55,52.325 12.908,52.325 13.108,52.125 28,37.233 34.183,31.05 37.808,31.05 41.125,27.733 v1(41.125,26.75)
  Bottom w0.15: v1(41.125,26.75) 42.15,25.725 49.15,18.725 114,18.725 119.138,13.587 130.637,13.587 133.275,16.225 151.375,16.225 152.924,17.774 152.924,18.861 163.014,28.951 173.772,28.951 178.871,34.05 203.488,34.05 212.364,42.926 213.051,42.926 215.45,45.325 215.45,48.371 210.546,53.275 202.725,53.275 200.3,55.7 198.066,55.7 194.616,59.15 192.25,59.15 v1(191.875,58.775)
  Bottom w0.4: SW1.2@27.06,101.615 R198.2@27.06,103.365
FPGA_SW1: IC35.L5 R197.2 SW1.4 | length 323.5
  Top w0.4: IC35.L5@191.375,60.275 v1(191.875,59.775)
  L6 w0.1: SW1.4@24.52,101.615 24.52,86.095 11.825,73.4 11.825,52.767 12.467,52.125 12.825,52.125 27.859,37.091 34.1,30.85 37.725,30.85 40.85,27.725 40.85,26.994 40.625,26.769 v1(40.625,26.375)
  Bottom w0.15: v1(40.625,26.375) 42.35,24.65 48.525,18.475 113.8,18.475 118.937,13.337 130.741,13.337 133.379,15.975 151.55,15.975 153.725,18.15 153.725,19.308 163.117,28.701 173.876,28.701 178.975,33.8 203.592,33.8 212.467,42.676 213.154,42.676 215.7,45.221 215.7,48.475 210.65,53.525 202.829,53.525 200.404,55.95 198.17,55.95 194.72,59.4 192.25,59.4 v1(191.875,59.775)
  Bottom w0.4: SW1.4@24.52,101.615 R197.2@24.52,103.365
FPGA_SW2: IC35.G1 R196.2 SW1.6 | length 299.1
  Top w0.15: IC35.G1@195.375,56.275 196.167,56.275 197.119,57.227 198.502,57.227 199.2,57.925 199.2,65.625 199.8,66.225 217.675,66.225 219.525,64.375 228.921,64.375 231.475,66.929 231.475,86.346 225.4,92.421 225.4,104.7 224.225,105.875 224.225,107.925 v1(224,108.15)
  L6 w0.1: SW1.6@21.98,101.615 24.515,104.15 29.95,104.15 34,108.2 109.808,108.2 110.933,109.325 193.822,109.325 194.772,110.275 221.875,110.275 v1(224,108.15)
  Bottom w0.4: SW1.6@21.98,101.615 R196.2@21.98,103.365
FPGA_SW3: IC35.G2 R195.2 SW1.8 | length 304.2
  Top w0.15: IC35.G2@194.375,56.275 194.85,55.8 196.046,55.8 197.223,56.977 198.606,56.977 199.45,57.821 199.45,65.521 199.904,65.975 217.571,65.975 219.421,64.125 229.025,64.125 231.725,66.825 231.725,86.45 225.65,92.525 225.65,104.804 224.475,105.979 224.475,107.925 v1(224.7,108.15)
  L6 w0.1: SW1.8@19.44,101.615 22.2,104.375 29.875,104.375 33.9,108.4 109.725,108.4 110.85,109.525 193.739,109.525 194.689,110.475 222.17,110.475 224.45,108.195 224.655,108.195 v1(224.7,108.15)
  Bottom w0.4: SW1.8@19.44,101.615 R195.2@19.44,103.365
FPGA_VBATT: IC35.G14 R191.2 R192.2 | length 81.5
  Top w0.4: v1(181.875,55.775) IC35.G14@182.375,56.275
  Top w0.5: R192.2@124.725,28.775 R191.2@125.825,28.775 125.825,30.075 126.45,30.7 v1(126.45,34.4)
  L4 w0.15: 181.775,52.55 181.475,52.85 181.475,55.05 181.875,55.45 v1(181.875,55.775)
  L4 w0.3: v1(126.45,34.4) 127.275,33.575 131.9,33.575 133.475,32 136.375,32 137.8,33.425 141.35,33.425 142.675,32.1 144.65,32.1 145.325,32.775 153.775,32.775 154.475,33.475 155.65,33.475 156.925,32.2 163.675,32.2 171.075,39.6 174.525,39.6 176.65,41.725 176.65,43.725 180.725,47.8 180.725,48.775 181.775,49.825 181.775,52.55